# KiCad board video-v10.kicad_pcb (continued)
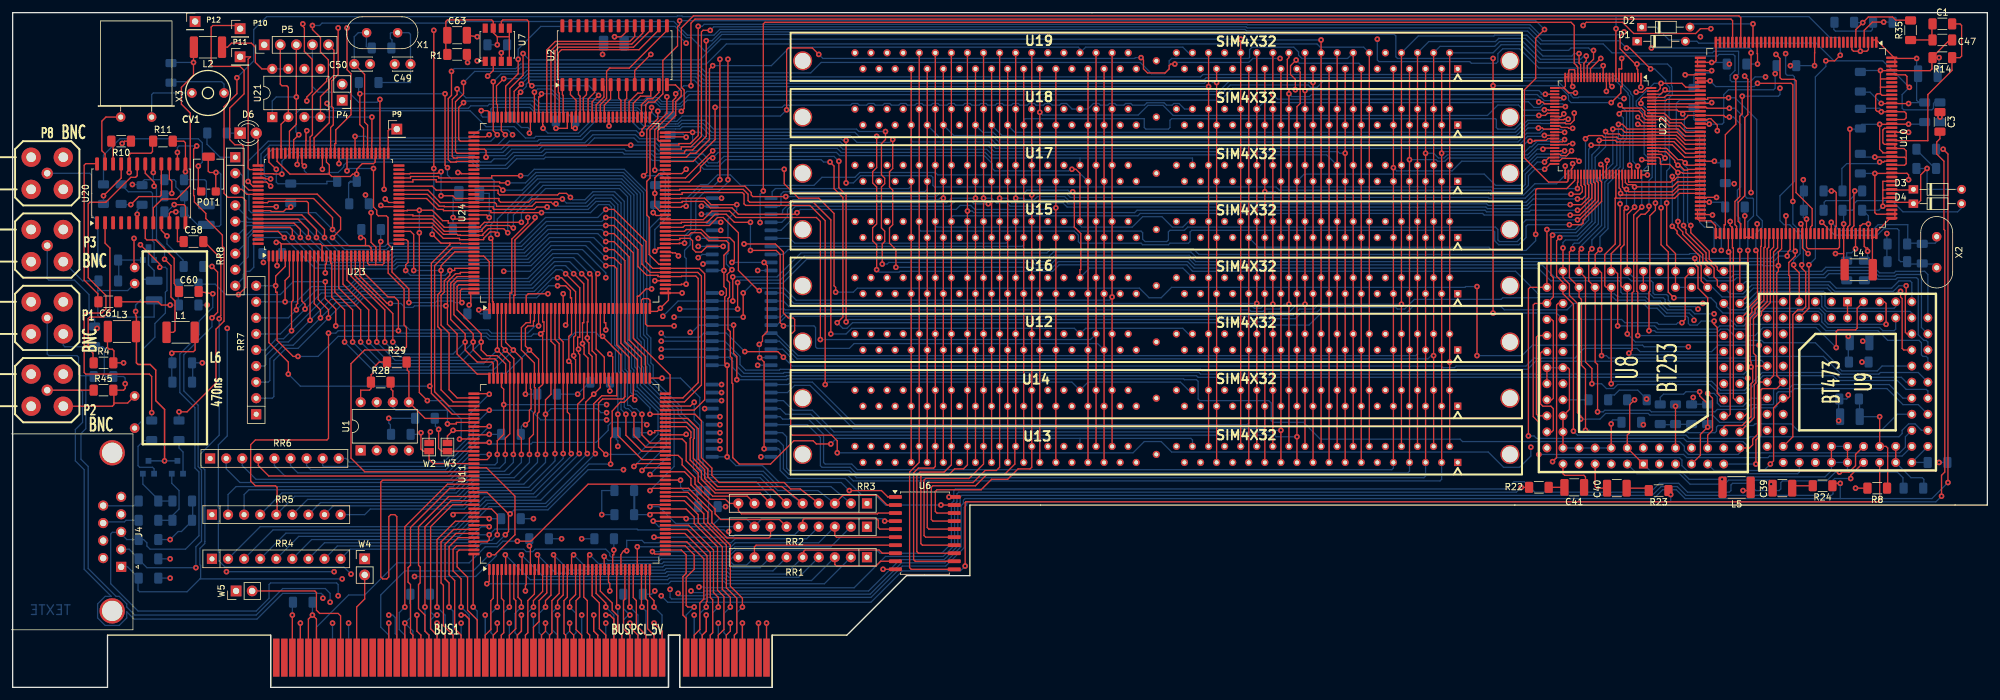
[diagram p0: board, top side]
## Routing (per net, layer and track width the routed paths; a pad name or vN(x,y) marks a point on that pad's centre or on a via; arc(x,y) is an arc through that point) (continued)
  Bottom w0.2: RR5.2 34.04,30.48 35.31,31.75 69.6,31.75 72.01,34.16 77.72,34.16 79.12,35.56 v1(79.12,36.83) ; v1(54.99,54.61) 58.93,50.67 75.18,50.67 v1(77.85,53.34)
/PTBE-0: length 55
  top_copper w0.2: 52.83,68.33 52.83,64.39 57.53,59.69 v1(57.53,54.61) ; 77.9,49.35 77.9,51.13 76.58,52.45 74.93,52.45 74.04,53.34 v1(74.04,54.61) 74.04,55.88 70.23,59.69 70.23,63.37 70.51,63.65 72.39,63.65
  Bottom w0.2: v1(74.04,54.61) 71.12,51.69 60.45,51.69 v1(57.53,54.61)
/PTBE-1: length 53.2
  top_copper w0.2: v1(58.8,54.61) 58.8,59.69 53.49,65 53.49,68.33 ; 76.61,49.35 76.61,51.54 76.2,51.94 74.17,51.94 72.77,53.34 v1(72.77,54.61) 72.77,55.88 69.72,58.93 69.72,63.75 70.26,64.29 72.39,64.29
  Bottom w0.2: v1(58.8,54.61) 61.21,52.2 70.36,52.2 v1(72.77,54.61)
/PTBE-2: length 51.5
  top_copper w0.2: 72.39,64.95 70.23,64.95 69.34,64.01 69.22,63.88 69.22,58.17 71.5,55.88 v1(71.5,54.61) 71.5,53.34 73.41,51.43 75.74,51.43 75.95,51.23 75.95,49.35 ; 54.15,68.33 54.15,65.02 60.07,59.11 v1(60.07,54.61)
  Bottom w0.2: v1(60.07,54.61) 61.98,52.7 69.6,52.7 v1(71.5,54.61)
/PTBE-3: length 42.4
  top_copper w0.2: 75.31,49.35 75.31,49.53 73.41,49.53 70.23,52.7 70.23,55.88 68.71,57.4 68.71,60.32 ; v1(59.69,60.71) 59.18,60.71 54.86,65.02 54.86,68.33 54.79,68.33 ; 68.71,60.32 68.71,64.13 69.98,65.4 70.74,65.4 70.74,65.61 72.39,65.61 ; 68.71,60.32 v1(68.45,60.32)
  Bottom w0.2: v1(59.69,60.71) 61.34,60.71 61.98,60.07 63.25,60.07 63.5,60.32 v1(68.45,60.32)
/PTBURST: length 54.6
  top_copper w0.2: 80.49,49.35 80.49,51.97 v1(79.12,53.34) 77.9,54.56 77.9,59.44 ; v1(53.72,54.61) 53.72,59.69 50.9,62.51 50.9,68.33
  Bottom w0.2: v1(53.72,54.61) 58.17,50.16 75.95,50.16 v1(79.12,53.34)
/PTNUM0: length 43.8
  top_copper w0.2: v1(63.37,65.91) 63.37,71.6 62.87,72.11 60.96,72.11 ; 72.39,45.14 69.6,45.14 67.69,47.04 67.69,56.51 67.18,57.02 67.18,62.1 67.69,62.61 v1(67.69,65.91) 67.69,66.67 69.88,68.86 72.39,68.86
  Bottom w0.2: v1(63.37,65.91) v1(67.69,65.91)
/PTNUM1: length 41.6
  top_copper w0.2: 72.39,66.24 69.85,66.24 69.85,65.91 v1(69.09,65.91) 69.09,65.15 68.2,64.26 68.2,62.48 67.69,61.98 67.69,57.28 68.96,56.01 68.96,47.04 70.23,45.77 72.39,45.77 ; v1(62.1,65.91) 62.1,66.8 62.48,67.18 62.48,70.54 62.23,70.79 60.96,70.79
  Bottom w0.2: v1(62.1,65.91) 62.87,65.15 68.33,65.15 v1(69.09,65.91)
/PTRDY-: length 111
  top_copper w0.2: 52.2,68.33 52.2,63.75 56.26,59.69 v1(56.26,54.61) ; 76.61,53.34 v1(76.58,53.34) ; 76.61,53.34 76.61,59.44 ; 76.61,53.34 78.56,51.38 78.56,40.08 77.85,39.37 v1(77.85,36.83)
  Bottom w0.2: v1(76.58,53.34) 74.42,51.18 59.69,51.18 v1(56.26,54.61) ; v1(77.85,36.83) 77.85,35.56 76.96,34.67 71.75,34.67 69.47,32.38 35.92,32.38 33.75,34.56 RR6.2
/PTWR: length 59.7
  top_copper w0.2: 82.45,59.44 82.45,57.91 82.3,57.91 82.3,57.15 81.41,57.15 81.03,56.77 81.03,53.97 v1(81.66,53.34) 83.11,51.89 83.11,49.35 ; 50.24,68.33 50.24,67.06 50.42,67.06 50.42,61.72 52.45,59.69 v1(52.45,54.61)
  Bottom w0.2: v1(81.66,53.34) 77.98,49.66 57.4,49.66 v1(52.45,54.61)
/RAS0-: length 98.1
  top_copper w0.2: v1(110.62,98.3) 110.11,97.79 110.11,86.61 107.95,84.45 107.09,84.45 106.43,83.79 103.58,83.79
  Bottom w0.2: U19.34 185.8,100.33 184.91,101.22 169.55,101.22 U19.44 168.66,100.97 168.4,101.22 122.81,101.22 119.89,98.3 v1(110.62,98.3)
/RAS1-: length 94.5
  top_copper w0.2: v1(111,91.71) 111,86.61 107.54,83.16 103.58,83.16
  Bottom w0.2: v1(111,91.71) 121.59,91.71 121.94,92.06 122.66,92.06 122.67,92.05 132.42,92.05 132.68,92.31 133.52,92.31 133.78,92.05 134.96,92.05 135.22,92.31 136.06,92.31 136.32,92.05 137.5,92.05 137.76,92.31 138.6,92.31 138.86,92.05 140.04,92.05 140.3,92.31 141.14,92.31 141.4,92.05 142.58,92.05 142.84,92.31 143.68,92.31 143.94,92.05 145.12,92.05 145.38,92.31 146.22,92.31 146.48,92.05 147.66,92.05 147.92,92.31 148.76,92.31 149.02,92.05 150.2,92.05 150.46,92.31 151.3,92.31 151.56,92.05 152.74,92.05 153,92.31 153.84,92.31 154.1,92.05 155.28,92.05 155.54,92.31 156.38,92.31 156.64,92.05 157.82,92.05 158.08,92.31 158.92,92.31 159.18,92.05 160.36,92.05 160.62,92.31 161.46,92.31 161.72,92.05 162.9,92.05 163.16,92.31 164,92.31 164.26,92.05 165.44,92.05 165.7,92.31 166.54,92.31 167.41,91.44 U18.44 169.9,91.44 170.78,92.31 171.62,92.31 171.88,92.05 173.06,92.05 173.32,92.31 174.16,92.31 174.42,92.05 175.6,92.05 175.86,92.31 176.7,92.31 176.96,92.05 178.86,92.05 179.24,92.43 181.95,92.43 182.33,92.05 183.22,92.05 183.48,92.31 184.32,92.31 185.19,91.44 U18.34
/RAS2-: length 87.7
  top_copper w0.2: v1(110.62,84.84) 106.32,80.54 103.58,80.54
  Bottom w0.2: 168.66,82.55 168.66,83.69 ; 168.66,83.69 186.44,83.69 186.44,82.55 ; 168.66,83.69 154.56,83.69 153.67,84.58 130.94,84.58 130.3,85.22 111,85.22 v1(110.62,84.84)
/RAS3-: length 97.3
  top_copper w0.2: v1(110.62,83.72) 110.11,83.72 108.69,82.3 108.69,81.66 106.93,79.91 103.58,79.91 ; U15.44 168.66,81.28 168.02,81.91 v1(167.39,81.91)
  Bottom w0.2: U15.34 185.8,73.66 184.91,72.77 183.26,72.77 181.61,74.42 178.56,74.42 176.91,72.77 168.91,72.77 168.66,73.02 U15.44 ; v1(110.62,83.72) 111.48,84.58 130.18,84.58 130.68,84.07 153.54,84.07 154.81,82.8 154.81,82.04 155.19,81.66 166.88,81.66 167.13,81.91 v1(167.39,81.91)
/RAS4-: length 98.6
  top_copper w0.2: 103.58,79.25 115.7,79.25 116.71,78.23 116.71,77.85 116.97,77.6 v1(122.17,77.6) ; U16.44 168.66,66.04 168.78,66.04 168.78,71.75 167.77,72.77 167.77,78.1 v1(167.51,78.36)
  Bottom w0.2: v1(167.51,78.36) 167,78.36 166.75,78.61 160.27,78.61 159.77,78.1 146.43,78.1 145.92,77.6 v1(122.17,77.6) ; U16.44 170.18,66.29 184.91,66.29 U16.34
/RAS5-: length 105.1
  top_copper w0.2: 103.58,78.61 105.41,78.61 105.41,78.74 115.44,78.74 116.21,77.98 116.21,76.96 116.46,76.71 126.49,76.71 129.29,73.91 v1(129.29,55.88)
  Bottom w0.2: v1(129.29,55.88) 131.7,55.88 132.59,56.77 167.77,56.77 U12.44 169.55,56.77 184.91,56.77 185.8,55.88 U12.34
/RAS6-: length 113.5
  top_copper w0.2: v1(128.4,47.88) 128.4,73.79 125.98,76.2 115.82,76.2 115.57,76.45 115.57,77.98 115.32,78.23 105.79,78.23 105.79,77.95 103.58,77.95
  Bottom w0.2: v1(128.4,47.88) 128.78,48.26 167.39,48.26 U14.44 169.93,48.26 184.53,48.26 185.8,46.99 U14.34
/RAS7-: length 130.8
  top_copper w0.2: v1(113.66,66.04) 112.9,65.28 112.9,64.39 113.28,64.01 113.28,61.72 113.03,61.47 113.03,56.64 113.41,56.26 113.41,52.32 113.66,52.07 113.66,48.13 113.79,48.01 113.79,36.32 114.81,35.31 119.76,35.31 123.44,38.99 126.49,38.99 127,38.48 v1(129.29,38.48) ; 103.58,77.29 105.54,77.29 105.54,77.34 109.35,77.34 110.36,76.33 v1(114.43,76.33)
  Bottom w0.2: 168.66,39.37 130.18,39.37 v1(129.29,38.48) ; 168.66,39.37 U13.44 ; 168.66,39.37 186.18,39.37 186.44,39.12 U13.34 ; v1(113.66,66.04) 112.78,66.93 112.78,68.33 113.03,68.58 113.03,74.04 114.43,75.44 v1(114.43,76.33)
/RDCAD-: length 275.6
  top_copper w0.2: v1(45.21,87.38) 44.4,86.56 44.4,84.33 ; v1(139.57,66.42) 139.57,69.21 138.56,70.23 138.56,72.64 139.06,73.15 139.06,78.61 138.56,79.12 138.56,81.53 139.06,82.04 v1(139.06,86.61)
  In2.Cu w0.2: U8.20 271.91,49.02 271.91,51.31 271.65,51.56 268.35,51.56 266.7,53.21 266.7,59.44 v1(266.32,59.82)
  Bottom w0.2: v1(45.21,87.38) 44.77,87.82 44.77,90.74 45.47,91.44 49.4,91.44 49.68,91.17 72.28,91.17 74.8,88.65 79.25,88.65 81.03,86.87 82.42,86.87 82.68,87.12 89.66,87.12 92.08,89.53 97.79,89.53 99.03,88.3 103.03,88.3 103.03,88.3 104.74,88.3 104.74,88.3 105.47,88.3 105.82,88.65 108.84,88.65 110.24,87.25 132.33,87.25 133.41,86.17 138.62,86.17 v1(139.06,86.61) ; v1(139.57,66.42) 161.16,66.42 161.29,66.29 164.21,66.29 165.23,67.31 185.67,67.31 186.69,66.29 241.05,66.29 243.08,64.26 253.87,64.26 254.13,64.01 254.13,62.48 254.38,62.23 258.7,62.23 259.33,61.59 260.86,61.59 261.11,61.34 261.11,60.96 261.87,60.2 265.94,60.2 v1(266.32,59.82)
/RDCDA-: length 273.3
  top_copper w0.2: 45.69,84.33 45.72,84.33 45.72,82.8 v1(46.1,82.42) ; v1(231.39,52.45) v1(231.39,63.37) ; v1(121.92,81.91) 121.92,79.63 124.21,77.34 127.38,77.34 129.79,74.93 129.79,63.5 130.05,63.25 v1(130.05,62.48)
  In2.Cu w0.2: v1(264.8,53.85) 264.8,52.58 267.21,50.16 267.84,50.16 268.22,49.78 268.22,47.75 269.49,46.48 273.94,46.48 U9.22
  Bottom w0.2: v1(130.05,62.48) 132.84,62.48 133.48,63.12 178.05,63.12 179.58,61.59 181.48,61.59 183.13,63.25 229.49,63.25 229.62,63.37 v1(231.39,63.37) ; v1(231.39,52.45) 238.51,52.45 240.16,54.1 257.56,54.1 257.81,53.85 v1(264.8,53.85) ; v1(121.92,81.91) 109.22,81.91 107.82,83.31 101.09,83.31 100.58,83.82 84.2,83.82 83.95,83.57 79.63,83.57 78.11,82.04 73.53,82.04 72.52,83.06 52.83,83.06 52.32,82.55 52.32,82.3 51.43,81.41 49.91,81.41 49.66,81.15 46.61,81.15 46.1,81.66 v1(46.1,82.42)
/RDEMPTY: length 10.1
  top_copper w0.2: 84.4,49.35 84.4,59.44
/RDFIFO-: length 66.4
  top_copper w0.2: 85.06,59.44 85.06,54.74 85.7,54.1 v1(85.7,36.96)
  Bottom w0.2: RR5.7 48.64,29.21 70.87,29.21 73.28,31.62 81.53,31.62 85.47,35.56 85.47,35.59 85.7,35.81 v1(85.7,36.96)
/RED_IN: length 422.4
  top_copper w0.2: 287.66,31.88 287.66,32.26 v1(288.8,32.26) ; v1(305.05,85.09) 305.82,84.33 v1(305.82,32.38)
  In2.Cu w0.2: v1(50.16,13.46) 50.16,15.37 50.42,15.62 51.69,15.62 52.32,14.99 75.82,14.99 76.84,16 102.11,16 103.5,14.6 104.52,14.6 104.78,14.86 v1(105.16,14.86)
  Bottom w0.2: 288.8,29.84 264.29,29.84 262.89,31.24 260.73,31.24 259.33,29.84 150.5,29.84 150.24,29.59 150.24,29.08 149.86,28.7 149.86,22.22 147.32,19.69 140.46,19.69 135.51,14.73 109.6,14.73 109.35,14.48 105.16,14.48 v1(105.16,14.86) ; 288.8,29.84 v1(288.8,32.26) ; 288.8,29.84 303.28,29.84 v1(305.82,32.38) ; v1(305.05,85.09) 304.04,85.09 ; v1(50.16,13.46) 50.16,14.86 49.4,15.62 42.67,15.62 38.48,11.43 19.3,11.43 18.03,12.71 18.03,13.19 16.83,14.39 16.34,14.39 11.94,18.8 11.94,34.92 10.79,36.07 10.79,40.13 11.56,40.89 11.56,49.28 ; P1.1 5.46,52.7 5.71,52.45 10.16,52.45 10.41,52.2 10.41,49.53 10.67,49.28 11.56,49.28 ; 12.7,49.15 12.7,49.28 11.56,49.28
/RED_OUT: length 353.1
  top_copper w0.2: U9.37 290.45,33.53 v1(290.45,33.02) ; 30.23,70.48 32.89,67.82 32.89,58.8 32.64,58.55 v1(32.64,58.29)
  In2.Cu w0.2: v1(52.07,17.14) 52.96,16.26 73.15,16.26 74.04,17.14 75.69,17.14 75.82,17.02 103.76,17.02 104.27,16.51 105.03,16.51 106.3,15.24 v1(107.19,15.24)
  Bottom w0.2: v1(32.64,58.29) 32.64,39.88 29.71,36.94 29.71,35.06 30.37,34.39 30.37,23.08 30.35,23.06 30.35,22.73 29.59,21.97 29.59,19.39 29.7,19.28 29.7,17.25 29.59,17.14 ; 16.89,19.05 18.16,19.05 19.94,17.27 19.81,17.27 19.81,15.37 20.07,15.11 27.56,15.11 29.59,17.14 ; v1(52.07,17.14) 29.59,17.14 ; v1(107.19,15.24) 107.44,14.99 109.09,14.99 109.35,15.24 135.25,15.24 140.21,20.19 147.19,20.19 149.35,22.35 149.35,28.83 149.73,29.21 149.73,30.1 149.99,30.35 259.08,30.35 260.48,31.75 263.02,31.75 264.41,30.35 287.4,30.35 287.66,30.61 287.66,32.77 287.91,33.02 v1(290.45,33.02)
/SELECT-: length 110.4
  top_copper w0.2: RR3.4 124.46,31.37 122.94,31.37 121.92,32.38 111.63,32.38 110.49,33.53 110.49,34.67 108.84,36.32 108.84,42.16 107.82,43.18 v1(100.71,43.18) ; v1(88.14,77.47) 87.5,78.1 86.36,78.1 86.11,77.85 76.96,77.85 76.71,78.1 76.71,78.61 66.93,78.61 66.29,79.25 60.96,79.25
  Bottom w0.2: v1(88.14,77.47) 88.52,77.09 90.42,77.09 91.69,78.36 95.12,78.36 96.65,76.83 96.65,54.48 97.28,53.85 97.28,50.42 97.66,50.04 97.66,46.61 97.92,46.35 98.55,46.35 100.71,44.2 v1(100.71,43.18)
/SYSRST-: length 358
  top_copper w0.2: 69.09,70.23 69.09,69.98 66.17,67.06 66.17,47.62 ; 69.09,70.23 70.74,70.23 70.74,70.15 72.39,70.15 ; 69.09,70.23 67.69,70.23 v1(66.29,71.63) ; v1(43.56,49.53) 43.56,51.43 40.49,54.51 40.49,68.33 ; v1(66.55,103.89) v1(66.55,82.04) ; 66.17,47.62 v1(65.91,47.62) ; 66.17,47.62 66.17,46.48 69.47,43.18 72.39,43.18 ; v1(268.35,104.14) 266.7,104.14 265.94,103.38 256.16,103.38 254.38,105.16 248.67,105.16 v1(248.16,104.65) ; 273.08,71.17 273.08,73.28 272.67,73.69 272.67,76.71 273.69,77.72 273.69,90.04 274.19,90.55 274.19,96.14 v1(273.69,96.65)
  In2.Cu w0.2: v1(268.35,104.14) 271.78,104.14 273.69,102.23 v1(273.69,96.65) ; v1(248.16,104.65) 247.4,105.41 107.57,105.41 106.55,104.39 105.36,104.39 104.59,105.16 67.82,105.16 v1(66.55,103.89)
  Bottom w0.2: v1(65.91,47.62) 45.47,47.62 v1(43.56,49.53) ; v1(66.29,71.63) 66.29,72.9 66.55,73.15 v1(66.55,82.04)
/TVB0: length 73.1
  top_copper w0.2: U8.32 v1(272.92,69.09) ; 259.08,90.78 260.99,90.78 262,89.79 264.16,89.79 264.67,90.3 264.67,90.42 266.19,90.42 266.24,90.35 266.45,90.42 270.38,90.42 270.64,90.17 v1(271.27,90.17)
  Bottom w0.2: v1(271.27,90.17) 271.91,90.17 273.05,89.03 273.05,79.12 272.54,78.61 272.54,74.55 272.92,74.17 v1(272.92,69.09) ; U9.61 300.1,64.01 299.85,64.26 298.07,64.26 296.93,63.12 288.16,63.12 287.15,64.13 273.81,64.13 U8.32
/TVB1: length 77.4
  top_copper w0.2: 263.91,91.06 263.25,91.06 263.02,91.29 259.08,91.29 ; 263.91,91.06 266.32,91.06 ; 263.91,91.06 v1(263.91,90.68)
  In2.Cu w0.2: v1(270,69.09) 270,67.82 269.37,67.18 269.37,62.74 270.38,61.72 U8.31
  Bottom w0.2: U8.31 271.4,59.69 273.56,59.69 275.97,62.1 285.62,62.1 285.88,61.85 285.88,60.2 286.64,59.44 299.85,59.44 300.1,59.18 U9.62 ; v1(263.91,90.68) 264.16,90.42 264.16,88.26 264.41,88.01 267.08,88.01 267.33,87.76 267.33,73.79 267.59,73.53 268.99,73.53 270,72.52 v1(270,69.09)
/TVB2: length 75.3
  top_copper w0.2: v1(271.27,91.57) 267.73,91.57 267.56,91.74 264.62,91.74 264.59,91.77 259.03,91.77 ; v1(274.19,69.09) 274.19,61.98 U8.30
  Bottom w0.2: v1(274.19,69.09) 274.19,73.66 275.08,74.55 275.08,77.22 274.95,77.34 274.07,77.34 273.81,77.6 273.81,89.92 272.16,91.57 v1(271.27,91.57) ; U8.30 273.81,60.71 275.72,62.61 286.13,62.61 286.38,62.36 286.38,60.32 286.77,59.94 297.31,59.94 297.56,60.2 U9.63
/TVB3: length 87.4
  top_copper w0.2: 259.08,92.28 266.32,92.28 266.24,92.3 266.32,92.33 268.35,92.33 v1(268.48,92.46)
  In2.Cu w0.2: v1(268.86,69.09) 268.86,62.36 269.37,61.85 269.37,60.2 270.38,59.18 U8.29
  Bottom w0.2: U9.64 297.56,56.64 297.31,56.39 295.53,56.39 295.02,56.9 286.77,56.9 285.88,57.78 285.88,58.93 285.37,59.44 275.84,59.44 273.56,57.15 272.42,57.15 271.4,58.17 U8.29 ; v1(268.48,92.46) 267.59,92.46 267.21,92.84 263.4,92.84 262.89,92.33 262.89,88.26 263.91,87.25 266.32,87.25 266.57,86.99 266.57,73.53 267.33,72.77 268.61,72.77 268.86,72.52 v1(268.86,69.09)
/TVB4: length 82.1
  top_copper w0.2: U8.28 274.32,59.56 274.32,60.07 275.72,61.47 275.72,69.09 v1(275.46,69.09) ; 266.19,92.96 266.24,92.94 ; 266.19,92.96 267.84,92.96 267.84,93.22 v1(271.14,93.22) ; 266.19,92.96 261.42,92.96 261.24,92.79 259.08,92.79 ; v1(296.04,57.4) 296.04,60.71 295.78,60.96 U9.65
  Bottom w0.2: v1(271.14,93.22) 272.16,93.22 275.59,89.79 275.59,74.68 276.48,73.79 276.48,72.77 275.46,71.75 v1(275.46,69.09) ; v1(296.04,57.4) 286.89,57.4 286.38,57.91 286.38,59.05 285.5,59.94 275.72,59.94 273.94,58.17 U8.28
/TVB5: length 91.4
  top_copper w0.2: v1(257.3,92.33) 257.3,92.96 257.62,93.27 260.98,93.27 260.99,93.27 261.32,93.6 266.24,93.6 ; v1(256.79,55.63) 256.79,62.48 256.67,62.61 256.67,74.17 257.3,74.8 257.94,74.8 258.57,75.44 v1(258.57,76.07)
  In2.Cu w0.2: U9.66 295.02,59.69 294.77,59.94 288.67,59.94 288.42,59.69 288.42,57.53 288.29,57.4 276.1,57.4 275.84,57.15 271.91,57.15 U8.27
  Bottom w0.2: v1(257.3,92.33) 259.08,90.55 259.08,80.64 258.57,80.14 v1(258.57,76.07) ; U8.27 v1(256.79,55.63)
/TVB6: length 89.5
  top_copper w0.2: v1(258.57,56.39) 258.57,62.48 258.7,62.61 258.7,74.55 259.59,75.44 v1(259.59,76.58) ; U9.67 291.47,59.94 291.47,56.77 291.21,56.51 288.42,56.51 288.16,56.26 v1(288.16,53.72) ; 259.08,93.78 260.4,93.78 v1(261.11,94.49) 261.34,94.26 266.24,94.26
  Bottom w0.2: v1(261.11,94.49) 259.59,92.96 v1(259.59,76.58) ; v1(258.57,56.39) 259.46,56.39 259.72,56.13 269.37,56.13 269.88,56.64 271.02,56.64 272.03,55.63 U8.26 275.34,55.63 276.61,56.9 284.99,56.9 v1(288.16,53.72)
/TVB7: length 98.5
  top_copper w0.2: v1(257.43,75.95) 256.16,74.68 256.16,62.61 255.91,62.36 255.91,53.34 v1(255.4,52.83) ; 259.08,94.28 259.96,94.28 260.35,94.67 260.35,95.38 v1(260.48,95.5) 263.78,95.5 264.39,94.89 266.24,94.89
  In2.Cu w0.2: U9.68 292.48,59.18 292.23,59.44 289.18,59.44 288.93,59.18 288.93,57.15 288.67,56.9 276.35,56.9 276.1,56.64 272.03,56.64 271.65,56.26 271.65,54.36 U8.25
  Bottom w0.2: v1(260.48,95.5) 259.38,95.5 256.56,92.69 256.56,91.97 257.81,90.72 257.81,84.33 258.44,83.69 258.44,82.55 257.43,81.53 v1(257.43,75.95) ; U8.25 269.88,52.58 255.65,52.58 v1(255.4,52.83)
/TVG0: length 97.9
  top_copper w0.2: 266.19,78.1 263.4,78.1 262.64,77.34 253.24,77.34 ; v1(252.6,48.01) U8.48 251.84,63.25 251.59,63.5 251.59,68.45 253.24,70.1 253.24,77.34 ; 253.34,81.03 253.34,77.44 253.24,77.34
  Bottom w0.2: v1(252.6,48.01) 252.98,48.39 268.48,48.39 269.88,46.99 273.69,46.99 276.48,49.78 287.91,49.78 288.67,49.02 298.45,49.02 299.21,48.26 U9.53
/TVG1: length 92.5
  top_copper w0.2: v1(254,76.45) 254,69.98 252.6,68.58 U8.47 253.24,65.79 253.62,65.4 v1(253.62,57.15) ; 266.14,78.74 263.27,78.74 262.38,77.85 254.34,77.85 v1(254.08,78.1) 254.08,78.73 253.85,78.97 253.85,81.03
  Bottom w0.2: v1(254,76.45) 254,78.02 v1(254.08,78.1) ; v1(253.62,57.15) 259.46,57.15 259.97,56.64 269.24,56.64 269.75,57.15 271.65,57.15 272.16,56.64 273.81,56.64 274.57,57.4 285.5,57.4 286.51,56.39 294.77,56.39 296.29,54.86 301.24,54.86 301.62,54.48 301.62,52.58 301.88,52.32 302.39,52.32 302.64,52.07 U9.54
/TVG2: length 86.7
  top_copper w0.2: v1(255.14,55.88) U8.46 254.38,63.25 254.13,63.5 254.13,69.47 254.63,69.98 254.63,75.44 v1(255.02,75.82) ; 254.33,81.03 254.33,80.26 254.38,80.26 254.38,79.12 254.76,78.74 v1(255.02,78.74) 255.4,78.36 262.25,78.36 263.27,79.38 266.19,79.38
  Bottom w0.2: U9.55 295.4,50.8 294.64,50.04 289.05,50.04 288.42,50.67 288.42,50.93 284.86,54.48 276.73,54.48 276.35,54.86 274.07,54.86 273.81,54.61 256.41,54.61 v1(255.14,55.88) ; v1(255.02,78.74) v1(255.02,75.82)
/TVG3: length 86.7
  top_copper w0.2: U8.45 255.14,74.8 v1(256.29,75.95) ; 266.24,79.93 263.07,79.93 262.27,79.14 v1(256.29,79.14) 255.94,79.48 255.18,79.48 254.84,79.83 254.84,81.03
  Bottom w0.2: U8.45 256.16,64.77 267.21,64.77 267.72,64.26 271.91,64.26 272.42,64.77 286.38,64.77 287.02,65.4 293.88,65.4 294.77,64.52 297.56,64.52 297.81,64.77 300.86,64.77 301.12,64.52 301.12,55.75 302.01,54.86 302.39,54.86 302.64,54.61 U9.56 ; v1(256.29,75.95) v1(256.29,79.14)
/TVG4: length 76
  top_copper w0.2: v1(262.25,72.9) 263.02,72.14 263.02,71.75 266.57,68.2 266.57,66.93 266.83,66.67 266.83,64.26 U8.36 ; 266.32,80.64 263.02,80.64 262.51,80.14 262.25,80.14 ; v1(262.25,80.77) 262.25,80.14 ; 262.25,80.14 262,79.88 255.35,79.88 255.35,81.03 ; U9.57 298.83,53.34 298.58,53.59 298.58,61.47 298.32,61.72 v1(298.32,62.61)
  Bottom w0.2: v1(298.32,62.61) 297.94,62.61 297.43,62.1 287.78,62.1 286.77,63.12 275.08,63.12 273.69,61.72 270.13,61.72 268.61,63.25 U8.36 ; v1(262.25,72.9) v1(262.25,80.77)
/TVG5: length 71.5
  top_copper w0.2: U8.35 267.84,66.42 267.08,67.18 267.08,68.45 263.91,71.63 263.91,72.01 263.14,72.77 v1(263.14,73.66) ; 266.19,81.28 263.91,81.28 263.78,81.41 v1(263.14,81.41) 261.87,82.68 260.48,82.68 260.37,82.79 260.37,83.55 260.14,83.77 259.03,83.77
  Bottom w0.2: v1(263.14,73.66) v1(263.14,81.41) ; U9.58 301.62,56.9 301.62,65.02 301.37,65.28 297.69,65.28 297.43,65.02 294.89,65.02 294,65.91 286.77,65.91 286.13,65.28 272.03,65.28 271.53,64.77 268.1,64.77 267.84,65.02 U8.35
/TVG6: length 70.6
  top_copper w0.2: U8.34 269.62,63.25 269.37,63.5 269.37,64.39 268.86,64.9 268.86,66.29 267.59,67.56 267.59,68.71 264.41,71.88 264.41,72.39 264.03,72.77 v1(264.03,73.02) ; U9.59 299.34,55.88 299.08,56.13 299.08,61.98 299.21,62.1 v1(299.21,63.5) ; 259.08,84.79 260.1,84.79 260.1,84.71 261.24,84.71 262.64,83.31 262.64,83.06 v1(263.14,82.55) 263.4,82.55 264.16,81.79 264.67,81.79 264.67,81.89 266.24,81.89
  Bottom w0.2: v1(299.21,63.5) 298.07,63.5 297.18,62.61 287.91,62.61 286.89,63.63 274.83,63.63 273.43,62.23 271.4,62.23 U8.34 ; v1(263.14,82.55) 264.03,81.66 v1(264.03,73.02)
/TVG7: length 68.6
  top_copper w0.2: U8.33 269.62,65.79 269.37,66.04 269.37,66.42 268.1,67.69 268.1,68.96 265.18,71.88 v1(265.18,73.02) ; 259.08,85.27 260.35,85.27 260.35,85.22 261.37,85.22 263.14,83.44 263.78,83.44 v1(264.29,82.93) 264.54,82.68 264.54,82.55 266.24,82.55
  Bottom w0.2: U8.33 285.88,65.79 286.51,66.42 294.13,66.42 295.02,65.53 297.31,65.53 297.56,65.79 302.13,65.79 302.64,65.28 U9.60 ; v1(264.29,82.93) 264.29,82.42 264.67,82.04 264.67,73.53 v1(265.18,73.02)
/TVI0: length 249.9
  top_copper w0.2: 83.11,90.63 83.11,93.34 83.31,93.34 83.57,93.6 v1(83.57,93.85) ; v1(274.7,78.23) v1(274.7,100.33)
  In1.Cu w0.2: v1(254.63,93.09) 257.81,93.09 258.21,93.5 258.21,95.66 258.06,95.81 258.06,100.2 v1(258.95,101.09)
  In2.Cu w0.2: U9.10 277.24,70.23 274.7,72.77 v1(274.7,78.23)
  Bottom w0.2: v1(254.63,93.09) 253.87,93.09 253.62,93.34 247.48,93.34 247.37,93.24 246.6,93.24 246.25,93.58 246.25,93.74 244.11,95.88 207.14,95.88 206.12,94.87 205.11,94.87 204.72,95.25 192.41,95.25 190.88,93.73 106.93,93.73 105.43,92.22 102.44,92.22 101.83,92.84 100.31,92.84 99.93,92.45 91.87,92.45 91.63,92.69 86.45,92.69 85.28,93.85 v1(83.57,93.85) ; v1(258.95,101.09) 274.45,101.09 274.7,100.84 v1(274.7,100.33)
/TVI1: length 227.9
  top_copper w0.2: v1(136.53,66.04) 136.53,69.98 135.89,70.61 135.89,72.64 136.53,73.28 136.53,79.12 135.89,79.76 135.89,81.53 136.53,82.17 v1(136.53,87.12) ; v1(83.82,88.39) 83.82,88.9 83.74,88.9 83.74,90.63
  In1.Cu w0.2: U9.11 278.76,59.44 276.23,59.44 275.97,59.18 269.75,59.18 269.62,59.05 v1(268.86,59.05)
  Bottom w0.2: v1(136.53,66.04) 136.91,65.66 140.08,65.66 140.21,65.79 164.34,65.79 165.35,66.8 185.55,66.8 186.44,65.79 237.49,65.79 241.05,62.23 253.11,62.23 253.62,61.72 258.06,61.72 258.7,61.09 260.35,61.09 260.6,60.83 260.6,60.58 261.49,59.69 265.18,59.69 265.81,59.05 v1(268.86,59.05) ; v1(136.53,87.12) 133.73,87.12 133.1,87.76 110.49,87.76 109.09,89.15 105.75,89.15 105.36,88.76 105.36,88.76 105.29,88.7 105.29,88.7 105.28,88.7 105.28,88.7 102.87,88.7 102.86,88.7 100.57,88.7 100.5,88.76 99.71,88.76 98.43,90.04 91.82,90.04 89.41,87.63 84.58,87.63 v1(83.82,88.39)
/TVR0: length 134
  top_copper w0.2: v1(243.33,71.5) 243.08,71.25 243.08,65.15 243.46,64.77 243.46,61.72 U8.56 240.54,60.71 240.28,60.45 240.28,42.8 241.17,41.91 v1(241.17,36.83) ; 266.24,83.85 266.19,83.82 264.21,83.82 262.25,85.78 259.08,85.78 259.08,85.72 v1(249.43,85.72)
  Bottom w0.2: U9.45 298.58,36.58 277.62,36.58 277.37,36.32 264.54,36.32 264.03,36.83 v1(241.17,36.83) ; v1(249.43,85.72) 249.43,85.47 249.05,85.09 249.05,73.91 247.01,71.88 243.71,71.88 v1(243.33,71.5)
/TVR1: length 126
  top_copper w0.2: 266.24,84.51 265.94,84.45 264.34,84.45 262.51,86.28 259.08,86.28 259.08,86.23 253.49,86.23 253.24,86.49 v1(250.7,86.49) ; v1(244.48,71.12) 243.97,70.61 243.97,65.02 244.98,64.01 U8.55 244.98,62.23 246.63,60.58 v1(246.63,40.51)
  Bottom w0.2: v1(246.63,40.51) 247.27,39.88 264.41,39.88 264.92,39.37 274.32,39.37 274.57,39.62 298.07,39.62 298.58,40.13 298.58,40.64 299.59,41.66 300.61,41.66 301.62,40.64 U9.46 ; v1(244.48,71.12) 244.73,71.37 247.27,71.37 249.56,73.66 249.56,84.2 250.7,85.34 v1(250.7,86.49)
/TVR2: length 138.4
  top_copper w0.2: v1(242.44,72.39) U8.54 239.78,63.25 239.52,62.99 v1(239.52,39.75) ; v1(248.54,86.74) 249.05,87.25 251.21,87.25 251.46,86.99 253.49,86.99 253.75,86.74 259.08,86.74 259.08,86.77 262.76,86.77 264.41,85.12 266.19,85.12 266.24,85.14
  Bottom w0.2: v1(242.44,72.39) 246.89,72.39 248.54,74.04 v1(248.54,86.74) ; v1(239.52,39.75) 240.41,39.75 240.79,39.37 264.03,39.37 264.54,38.86 273.43,38.86 274.07,38.23 274.07,37.34 274.32,37.08 298.2,37.08 299.08,37.97 299.08,39.62 U9.47
/TVR3: length 127.9
  top_copper w0.2: 266.24,85.8 266.06,85.88 264.29,85.88 262.89,87.27 259.08,87.27 259.08,87.25 254.13,87.25 253.87,87.5 252.1,87.5 v1(251.71,87.88) ; v1(244.98,69.47) U8.53 244.98,64.77 246,63.75 246,61.98 247.27,60.71 247.27,43.43 247.78,42.93 v1(247.78,42.42)
  Bottom w0.2: U9.48 301.12,44.7 298.7,44.7 296.16,47.24 281.56,47.24 281.05,46.74 279.02,46.74 278.76,46.48 278.76,44.45 278.51,44.2 275.08,44.2 274.83,43.94 274.83,42.16 274.57,41.91 269.75,41.91 268.61,43.05 258.7,43.05 258.44,43.31 251.71,43.31 250.82,42.42 v1(247.78,42.42) ; v1(244.98,69.47) 244.98,70.36 245.36,70.74 247.27,70.74 250.06,73.53 250.06,83.82 251.71,85.47 v1(251.71,87.88)
/TVR4: length 120.4
  top_copper w0.2: 266.24,86.44 266.06,86.51 264.29,86.51 263.02,87.78 259.08,87.78 259.08,87.76 254.76,87.76 254.25,88.26 v1(252.86,88.26) ; v1(248.54,40.64) 248.54,50.29 247.9,50.93 247.9,61.34 247.52,61.72 U8.52 246,64.77 246,68.83 v1(246.51,69.34)
  Bottom w0.2: v1(246.51,69.34) 246.51,69.98 246.76,70.23 247.52,70.23 250.57,73.28 250.57,80.52 252.86,82.8 v1(252.86,88.26) ; U9.49 297.81,43.18 295.15,40.51 282.19,40.51 281.05,41.66 275.34,41.66 275.08,41.4 269.49,41.4 269.24,41.15 269.24,40.51 268.99,40.26 264.8,40.26 264.67,40.39 249.43,40.39 249.17,40.64 v1(248.54,40.64)
/TVR5: length 115.3
  top_copper w0.2: v1(253.75,89.03) 254.38,89.03 255.14,88.26 259.08,88.26 259.08,88.29 263.14,88.29 264.29,87.15 266.19,87.15 266.24,87.1 ; v1(247.9,69.34) 247.52,68.96 U8.51 248.54,64.77 248.54,51.43 249.56,50.42 v1(249.56,48.01)
  Bottom w0.2: U9.50 302.64,46.86 302.39,47.12 299.21,47.12 297.81,48.51 288.42,48.51 287.66,49.28 276.61,49.28 273.81,46.48 269.62,46.48 268.22,47.88 253.62,47.88 252.98,47.24 251.84,47.24 251.08,48.01 v1(249.56,48.01) ; v1(247.9,69.34) 247.9,69.85 251.08,73.02 251.08,80.14 253.49,82.55 253.49,86.74 253.75,86.99 v1(253.75,89.03)
